# KiCad board Quiver_PT3_Main_PCB.kicad_pcb (continued)
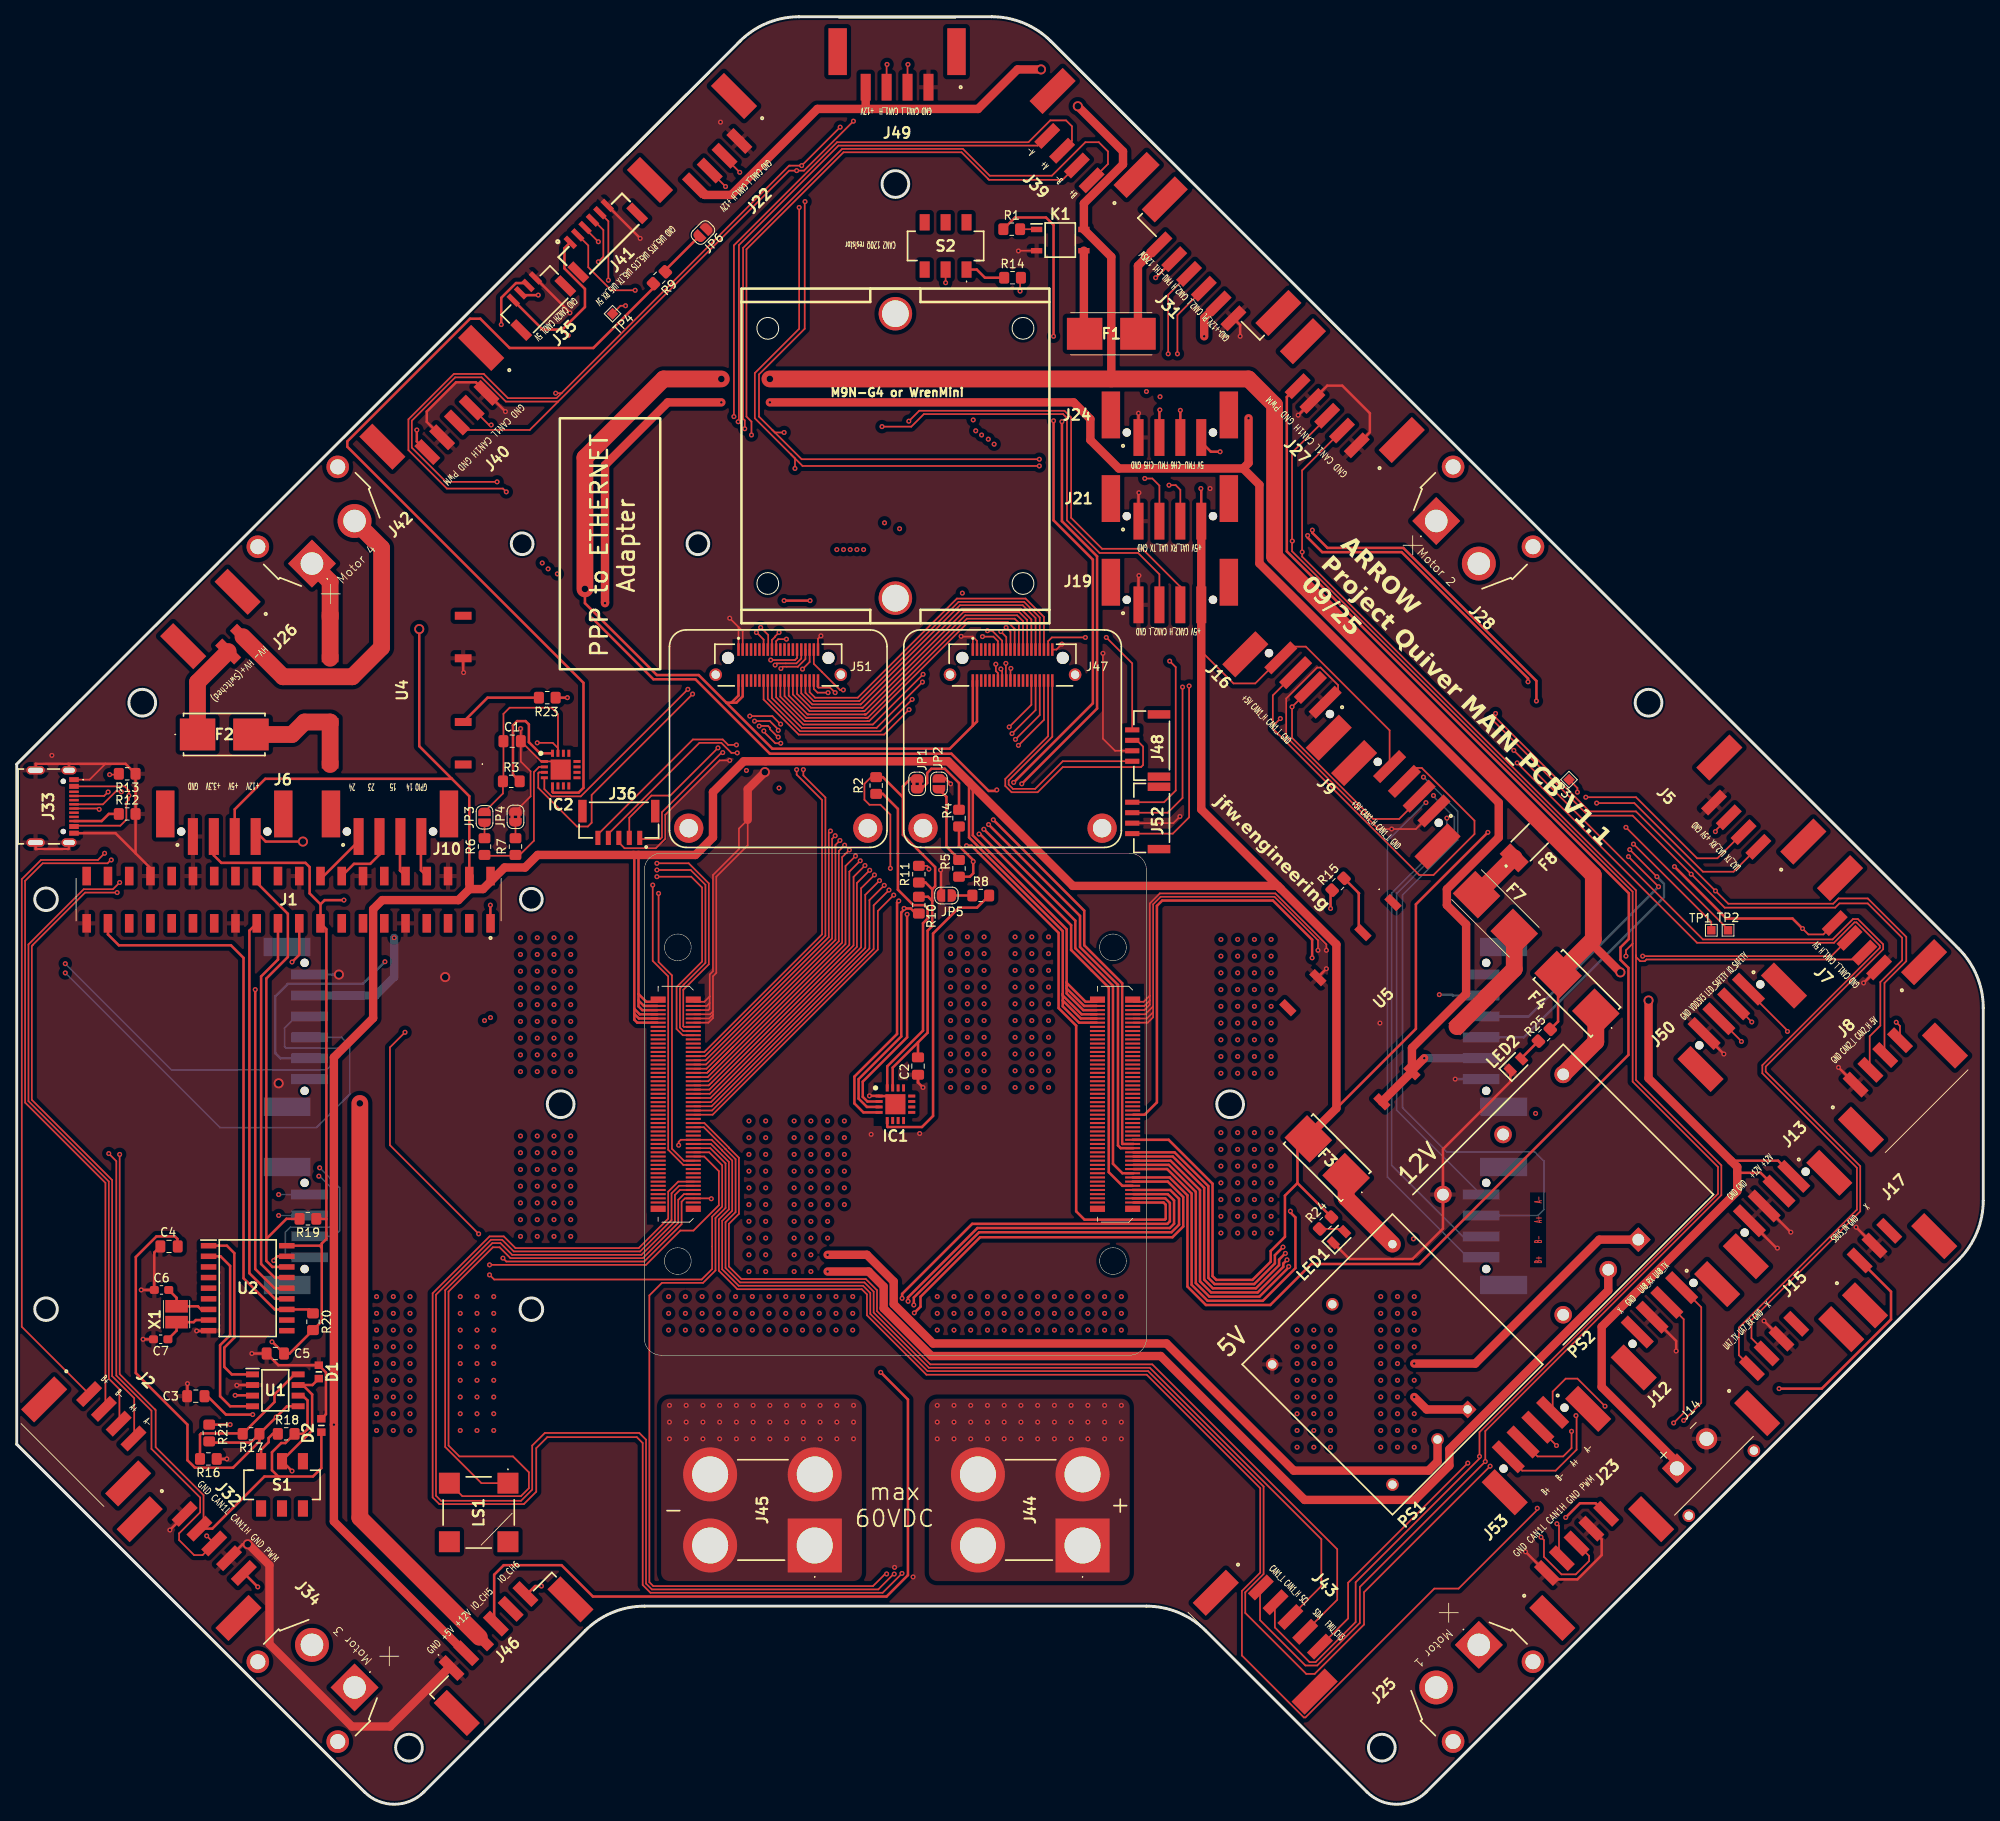
[diagram p0: board, top side]
## Routing (per net, layer and track width the routed paths; a pad name or vN(x,y) marks a point on that pad's centre or on a via; arc(x,y) is an arc through that point) (continued)
  In2.Cu w0.2: v1(134.8,158.48) 123.1,158.48 117.8,153.18 v1(103.7,153.18)
/USART2_RX_TEL3: length 158.6
  Top w0.2: J5.2 203.23,113.08 200.8,113.08 193.5,120.38 v1(187.5,120.38) ; 80.95,85.93 82.7,85.93 83.03,86.27 99.5,102.73 99.5,111.49 v1(100.8,112.79)
  In2.Cu w0.2: v1(187.5,120.38) 176.7,120.38 172,115.68 168.7,115.68 160.5,123.88 109.1,123.88 105.1,119.88 105.1,115.28 102.8,112.98 100.99,112.98 v1(100.8,112.79)
/USART2_TX_TEL3: length 160
  Top w0.2: 80.95,85.43 82.77,85.43 100,102.67 100,110.86 v1(101.36,112.22) ; J5.1 205.16,111.48 201.5,111.48 193.3,119.68 v1(188.8,119.68)
  In2.Cu w0.2: v1(188.8,119.68) 176.7,119.68 172.3,115.28 168.5,115.28 160.6,123.18 109.1,123.18 105.5,119.58 105.5,114.98 102.9,112.38 101.53,112.38 v1(101.36,112.22)
/USB_D+: length 153.7
  Top w0.2: v1(12.5,121.03) 12.45,121.08 11.85,121.08 10.3,119.53 J33.A6 ; 80.95,91.93 79.59,91.93 78.85,92.68 78.85,97.69 81.9,100.74 81.9,109.58 80.6,110.88 v1(76.5,110.88)
  In1.Cu w0.2: v1(64.6,147.08) 69.5,147.08 71.7,144.88 71.7,113.08 73.9,110.88 v1(76.5,110.88)
  In2.Cu w0.2: v1(64.6,147.08) 64.35,147.08 34.85,117.58 9.2,117.58 8.4,118.38 8.4,119.88 10.2,121.68 11.85,121.68 v1(12.5,121.03)
/USB_D-: length 141.6
  Top w0.2: 80.95,92.43 79.66,92.43 79.25,92.84 79.25,97.52 82.3,100.57 82.3,109.92 80.53,111.68 v1(76.5,111.68) ; v1(9.85,118.93) 9.75,119.03 J33.A7
  In1.Cu w0.2: v1(76.5,111.68) 74.2,111.68 72.2,113.68 72.2,144.98 69.5,147.68 v1(63.5,147.68)
  In2.Cu w0.2: v1(9.85,118.93) 9.9,118.98 34.8,118.98 v1(63.5,147.68)
CAN1_H: length 871
  Top w0.2: v1(104,207.98) 103.95,207.93 J49.3 ; 150.1,128.58 150.1,128.88 v1(151,129.78) ; 150.1,128.58 150.1,132.55 J16.3 153.37,135.28 153.8,135.7 ; 150.1,128.58 167.6,111.08 169.3,111.08 174.2,115.98 174.2,117.58 167.9,123.88 167.3,123.88 165.83,122.41 J9.3 ; 64.7,167.68 92.3,195.28 v1(93.2,195.28) 94.07,195.28 v1(99.98,201.2) ; 64.7,167.68 58.44,167.68 55.55,170.57 52.39,170.57 47.21,165.39 47.21,162.17 51.3,158.08 v1(57.4,158.08) ; 64.7,167.68 61.3,164.28 53.5,164.28 J40.3 53,165.18 ; v1(93.5,190.88) 93.5,176.38 88.2,171.08 88.2,165.68 92.5,161.38 ; J7.3 216.83,101.38 v1(194.3,101.38) ; J32.3 v1(22.7,32.08) ; J32.3 22.2,29.78 21.2,29.78 19.4,31.58 19.4,32.38 21.92,34.9 21.92,36.66 16.1,42.48 16.1,47.05 11.9,51.25 11.9,76.88 v1(11,77.78) ; J32.3 23.69,31.27 ; 92.5,161.38 93.9,159.98 v1(122.2,159.98) ; 92.5,161.38 93,160.88 v1(93,159.68) ; v1(103.1,110.41) 101.4,108.71 101.4,102.37 82.96,83.93 80.95,83.93 ; 193.1,102.88 193.1,86.38 203.3,76.18 203.3,72.98 174.8,44.48 v1(174.8,41.58) 174.8,41.33 160,26.53 160,21.78 155.21,16.99 154.49,16.99 150.34,21.14 150.34,24.06 J43.2 ; 193.1,102.88 192.3,102.08 v1(192.3,101.38) ; 193.1,102.88 193.1,109.08 152.4,149.78 152.4,150.98 v1(152.43,151.01) 152.63,151.01 152.4,151.23 152.4,161.58 156.6,165.78 J27.3 ; v1(182.15,31.93) 182.5,31.58 182.5,29.58 184.6,27.48 186.3,27.48 187.9,29.08 187.9,29.68 J23.3 ; J22.3 82.82,195.27 v1(84.7,193.38)
  Top w0.3: D1.1 35.34,50.12 U1.7 34.18,50.12 35.3,49 35.3,44.68 31.7,41.08 S1.2 31.72,41.01 v1(32.9,39.83)
  In2.Cu w0.2: v1(84.7,193.38) 86.83,191.26 89.17,191.26 v1(93.2,195.28) 93.2,195.18 93.5,194.88 v1(93.5,190.88) ; v1(103.1,110.41) 102.67,109.98 101.97,109.98 101.97,109.98 100.73,109.98 94.5,116.22 94.5,119.62 90,124.12 90,129.38 94.5,133.88 94.5,138.88 93,140.38 v1(93,159.68) ; 192.1,101.38 v1(192.3,101.38) v1(194.3,101.38) ; v1(99.98,201.2) 103.32,201.2 104,201.88 v1(104,207.98) ; v1(151,129.78) 151,131.68 154.8,135.48 154.8,147.38 152.4,149.78 152.4,150.98 v1(152.43,151.01) 152.3,151.13 152.3,151.28 147.2,156.38 147.2,159.28 146.5,159.98 v1(122.2,159.98) ; v1(174.8,41.58) 174.6,41.38 174.6,39.48 v1(182.15,31.93) ; v1(57.4,158.08) 57.4,155.68 27.5,125.78 6.8,125.78 4.3,123.28 4.3,111.18 6.4,109.08 6.4,82.38 v1(11,77.78)
  In2.Cu w0.3: v1(22.7,32.08) 29.2,38.58 31.65,38.58 v1(32.9,39.83)
CAN1_L: length 832.8
  Top w0.2: 84.58,196.9 v1(86.4,195.08) ; 167.5,120.08 165.2,117.78 162.1,117.78 152.4,127.48 v1(152.4,131.18) 154.59,133.38 J16.2 155.4,134.31 ; v1(184.05,33.53) 184.3,33.28 184.3,29.75 J23.2 ; 90.3,164.28 90.6,163.98 v1(91.7,163.98) ; 90.3,164.28 93.8,160.78 v1(122.2,160.78) ; 90.3,164.28 88.7,165.88 88.7,170.92 94.16,176.38 94.16,191.54 v1(94.2,191.58) ; J49.2 106.45,207.93 v1(106.5,207.98) ; J43.1 148.58,25.83 148.58,22.01 153.99,16.59 155.41,16.59 160.5,21.68 160.5,25.98 v1(175.49,40.97) 175.49,44.61 203.7,72.82 203.7,76.38 193.5,86.58 193.5,101.48 ; 65.1,168.68 v1(64.4,168.68) ; 65.1,168.68 64.5,168.08 58.7,168.08 55.8,170.98 52.23,170.98 46.81,165.56 46.81,161.87 51.4,157.28 58.1,157.28 v1(58.5,156.88) ; 65.1,168.68 92.3,195.88 v1(93.8,195.88) v1(98.4,200.48) ; J40.2 56.44,164.88 v1(56.7,164.88) ; 159.2,165.05 J27.2 153.6,159.45 153.6,149.71 v1(153.61,149.69) 153.61,149.14 193.5,109.25 193.5,101.48 ; 193.5,101.48 193.5,101.28 194,100.78 194.55,100.78 194.75,100.98 219.97,100.98 J7.2 ; J32.2 22.32,33.44 22.32,36.96 16.6,42.68 16.6,47.11 12.3,51.41 v1(12.3,77.68) ; 80.95,84.43 82.9,84.43 100.9,102.44 100.9,109.49 v1(102.49,111.09)
  Top w0.3: 31.25,39.18 35.4,39.18 36.4,40.18 D2.1 ; 31.25,39.18 30.5,39.93 30.5,42.08 31.6,43.18 32.1,43.18 R18.2 34.2,44.28 34.75,44.83 34.75,48.28 34.18,48.85 33.62,48.85 34.24,48.85 ; 31.25,39.18 29.6,39.18 23.37,32.95 J32.2 ; J22.2 84.58,196.9
  In2.Cu w0.2: v1(122.2,160.78) 146.3,160.78 147.7,159.38 147.7,156.58 153.61,150.67 v1(153.61,149.69) 155.4,147.91 155.4,134.18 v1(152.4,131.18) ; v1(64.4,168.68) 60.6,164.88 v1(56.7,164.88) ; v1(91.7,163.98) 93.6,162.08 93.6,140.38 94.9,139.08 94.9,133.58 90.4,129.08 90.4,124.28 94.9,119.78 94.9,116.38 100.9,110.38 101.8,110.38 102.46,111.04 102.46,111.05 v1(102.49,111.09) ; v1(184.05,33.53) 183.9,33.68 181.5,33.68 175.1,40.08 175.1,40.58 175.46,40.95 175.47,40.95 v1(175.49,40.97) ; v1(86.4,195.08) 91.45,195.08 92.3,195.93 93.75,195.93 v1(93.8,195.88) 94.2,195.48 v1(94.2,191.58) ; v1(12.3,77.68) 6.8,83.18 6.8,109.38 4.7,111.48 4.7,119.98 10,125.28 27.7,125.28 58.5,156.08 v1(58.5,156.88) ; v1(106.5,207.98) 106.5,202.18 104.8,200.48 v1(98.4,200.48)
ETH1_0A+: length 65.5
  Top w0.2: v1(86.1,125.68) 85.4,125.68 84.2,126.88 81.58,126.88 70.7,116 70.7,115.38 ; v1(89.28,128.3) 89.28,128.21 90.65,126.83 v1(91.3,126.83) ; J47.36 122.75,129.63 v1(119.7,126.58)
  In2.Cu w0.2: v1(89.28,128.3) 87.73,126.76 87.18,126.76 v1(86.1,125.68) ; v1(91.3,126.83) 91.55,126.58 v1(119.7,126.58)
ETH1_0A-: length 65.4
  Top w0.2: 69.45,115.38 69.45,115.93 80.8,127.28 84.37,127.28 85.02,126.63 v1(86,126.63) ; J47.34 122.25,130.21 v1(119.34,127.3) ; v1(88.72,128.88) 88.75,128.9 89.78,128.9 90,128.68 90,128.52 90.95,127.57 v1(91,127.57)
  In2.Cu w0.2: v1(91,127.57) 91.41,127.57 91.68,127.3 v1(119.34,127.3) ; v1(88.72,128.88) 87.2,127.36 86.73,127.36 v1(86,126.63)
ETH1_0B+: length 60.4
  Top w0.2: v1(118.94,127.99) 121.75,130.8 J47.32 ; v1(91,128.37) 91,128.48 90,129.48 v1(88.17,129.48) ; v1(84.37,125.72) 84.23,125.72 77.1,118.58 77.1,115.58 76.9,115.38 74.45,115.38
  In2.Cu w0.2: v1(91,128.37) 91.22,128.37 91.61,127.99 v1(118.94,127.99) ; v1(84.37,125.72) 84.37,125.85 86.55,128.03 86.72,128.03 v1(88.17,129.48)
ETH1_0B-: length 60.2
  Top w0.2: v1(118.6,128.78) 121.25,131.43 J47.30 ; v1(91.29,129.12) 91.26,129.12 90.3,130.08 v1(87.6,130.08) ; 73.2,115.38 73.2,117.93 75.85,120.58 78.1,120.58 v1(83.8,126.28)
  In2.Cu w0.2: v1(118.6,128.78) 91.63,128.78 v1(91.29,129.12) ; v1(83.8,126.28) 83.81,126.28 86.31,128.78 86.31,128.79 v1(87.6,130.08)
ETH1_2A+: length 125.2
  Top w0.2: v1(118.23,140.68) 118.75,140.16 J47.19 ; v1(85.7,165.88) 85.7,186.35 98.03,198.68 120.9,198.68 123.51,201.29 125.39,201.29 126.1,200.58 126.1,198.85 J39.3
  In2.Cu w0.2: v1(85.7,165.88) 85.7,165.89 92.35,165.89 95.4,162.83 95.4,149.75 96.27,148.88 111.45,148.88 115.6,144.73 115.6,143.18 118.11,140.68 v1(118.23,140.68)
ETH1_2A-: length 117
  Top w0.2: v1(117.6,140.18) 118.25,139.53 J47.17 ; v1(86.21,165.27) 86.3,165.36 86.3,186.38 98.2,198.28 122,198.28 J39.4
  In2.Cu w0.2: v1(117.6,140.18) 117.3,140.18 115.1,142.38 115.1,144.67 111.38,148.38 96.2,148.38 95,149.58 95,162.66 92.18,165.48 90.53,165.48 90.08,165.03 86.46,165.03 v1(86.21,165.27)
ETH1_2B+: length 130.3
  Top w0.2: v1(116,140.28) 116.57,140.28 117.75,139.1 J47.15 ; v1(87,164.43) 87,165.43 86.8,165.63 86.8,186.05 98.63,197.88 113.07,197.88 116.27,194.68 123.7,194.68 127.7,198.68 129.3,198.68 130.4,197.58 130.4,196.08 J39.1
  In2.Cu w0.2: v1(87,164.43) 87.14,164.28 89.9,164.28 90.7,165.08 92.02,165.08 94.6,162.5 94.6,149.35 95.97,147.98 111.22,147.98 114.6,144.6 114.6,141.68 v1(116,140.28)
ETH1_2B-: length 120.5
  Top w0.2: J39.2 124.97,194.18 116.2,194.18 116.1,194.28 112.9,197.48 98.8,197.48 87.2,185.88 87.2,165.88 87.8,165.28 v1(87.8,163.68) ; J47.13 117.25,139.03 116.7,139.58 v1(115.4,139.58)
  In2.Cu w0.2: v1(115.4,139.58) 114.1,140.88 114.1,144.53 111.05,147.58 95.8,147.58 94.2,149.18 94.2,162.33 91.85,164.68 90.9,164.68 89.8,163.58 87.9,163.58 v1(87.8,163.68)
  Bottom w0.2: v1(115.4,139.58) 115.6,139.78
ETH1_3A+: length 162.3
  Top w0.2: v1(118.8,135.78) 118.75,135.73 J47.20
  In2.Cu w0.2: v1(118.8,135.78) 118.8,130.48 122.3,126.98 179.8,126.98 180.8,125.98 180.8,124.98 179.1,123.28 168.6,123.28 v1(168.1,122.78)
  Bottom w0.2: v1(168.1,122.78) 172.2,118.68 172.2,115.28 165.6,108.68 165.6,83.28 170.9,77.98 181.4,77.98 182.5,76.88 182.5,71.08 181.8,70.38 J37.3
ETH1_3A-: length 144.1
  Top w0.2: J47.18 118.2,134.38 v1(118.2,136.38)
  In2.Cu w0.2: v1(169.3,120.58) 169.3,121.18 171,122.88 179.3,122.88 181.2,124.78 181.2,126.18 180,127.38 122.5,127.38 119.5,130.38 119.5,136.28 119.2,136.58 118.4,136.58 v1(118.2,136.38)
  Bottom w0.2: J37.4 164.9,82.98 164.9,108.88 171.8,115.78 171.8,117.98 169.4,120.38 169.4,120.48 v1(169.3,120.58)
ETH1_3B+: length 153.2
  Top w0.2: J47.16 117.75,135.57 v1(117.6,135.72)
  In2.Cu w0.2: v1(117.6,135.72) 117.6,136.63 117.95,136.98 119.37,136.98 120.1,136.25 120.1,130.38 122.7,127.78 180.2,127.78 181.6,126.38 181.6,124.62 179.27,122.28 171.9,122.28 169.35,119.74 v1(168.4,119.74)
  Bottom w0.2: J37.1 173.4,65.38 163.8,74.98 163.8,115.18 168.35,119.74 v1(168.4,119.74)
ETH1_3B-: length 150.8
  Top w0.2: J47.14 117.25,135.22 117,135.47 v1(117,136.28)
  In2.Cu w0.2: v1(117,136.28) 117,136.6 117.78,137.38 119.53,137.38 120.5,136.42 120.5,130.58 122.8,128.28 180.5,128.28 182.1,126.68 182.1,124.28 179.5,121.68 173.9,121.68 170.9,118.68 v1(170.9,117.88)
  Bottom w0.2: J37.2 172.8,67.88 164.3,76.38 164.3,108.91 170.9,115.51 v1(170.9,117.88)
ETH2_1A+: length 130.3
  Top w0.2: J51.35 94.75,136.55 v1(93.9,135.7)
  In2.Cu w0.2: v1(36.2,76.08) 28.1,76.08 27.4,76.78 27.4,102.79 34,109.38 58.37,109.38 79.03,130.05 82.37,130.05 87.4,135.08 93.28,135.08 v1(93.9,135.7)
  Bottom w0.2: v1(36.2,76.08) 38.6,73.68 38.6,68.58 37.9,67.88 J38.3
ETH2_1A-: length 137.1
  Top w0.2: J51.33 94.25,136.9 93.34,135.98 93.33,135.98 91.53,135.98 v1(91.32,135.77)
  In2.Cu w0.2: v1(36.1,75.08) 35.5,75.68 27.93,75.68 27,76.61 27,102.95 33.83,109.78 58.2,109.78 78.9,130.48 82.23,130.48 87.33,135.58 91.13,135.58 v1(91.32,135.77)
  Bottom w0.2: v1(36.1,75.08) 36.2,75.08 38,73.28 38,69.38 37.6,68.98 32.7,68.98 32.1,68.38 32.1,65.68 32.4,65.38 J38.4
ETH2_1B+: length 119.4
  Top w0.2: J51.31 93.75,136.96 93.17,136.38 90.83,136.38 v1(90.63,136.18)
  In2.Cu w0.2: v1(31.3,72.88) 29.4,72.88 26.6,75.68 26.6,103.12 33.73,110.25 58.07,110.25 78.77,130.95 82.13,130.95 87.37,136.18 v1(90.63,136.18)
  Bottom w0.2: v1(31.3,72.88) J38.1 ; v1(90.63,136.18) 90.63,136.25 90.52,136.36
ETH2_1B-: length 120.7
  Top w0.2: v1(90.1,136.78) 93,136.78 93.25,137.03 J51.29
  In2.Cu w0.2: v1(90.1,136.78) 87.4,136.78 82,131.38 78.6,131.38 57.9,110.68 33.6,110.68 26.2,103.28 26.2,75.48 v1(31.3,70.38)
  Bottom w0.2: v1(31.3,70.38) J38.2
ETH2_2A+: length 172.4
  Top w0.2: J51.19 90.75,139.03 90.99,139.28 v1(91.98,139.28) ; v1(12.3,110.18) 11.5,109.38 8,109.38 1.4,102.78 1.4,84.05 11,74.45 11,50.88 12.27,49.61 12.27,45.59 J2.3
  In2.Cu w0.2: v1(91.98,139.28) 92.29,139.28 92.4,139.38 92.4,140.08 91.6,140.88 90.5,140.88 89.1,139.48 88.9,139.48 88.88,139.47 84.55,139.47 57.27,112.18 14.3,112.18 v1(12.3,110.18)
ETH2_2A-: length 171.2
  Top w0.2: J2.4 14.04,43.82 14.04,48.54 11.4,51.18 11.4,74.61 1.8,84.21 1.8,102.58 1.9,102.68 1.9,102.72 8.17,108.98 v1(12,108.98) ; v1(91.1,140.08) 90.6,139.58 90.6,139.53 90.25,139.18 J51.17
  In2.Cu w0.2: v1(12,108.98) 14.3,111.28 57.35,111.28 84.85,138.78 89.8,138.78 v1(91.1,140.08)
ETH2_2B+: length 168.7
  Top w0.2: J2.1 0.6,57.08 0.6,110.58 2.9,112.88 9.7,112.88 v1(10.5,113.68) ; v1(88.9,140.68) 89.8,139.78 89.8,138.08 J51.15
  In2.Cu w0.2: v1(10.5,113.68) 57.6,113.68 84.6,140.68 v1(88.9,140.68)
ETH2_2B-: length 169.3
  Top w0.2: J2.2 10.6,47.45 10.6,74.28 1,83.88 1,110.38 3.1,112.48 10.85,112.48 11.25,112.88 v1(11.3,112.88) ; v1(88.39,140.07) 88.41,140.07 89.25,139.23 J51.13
  In2.Cu w0.2: v1(11.3,112.88) 57.4,112.88 84.6,140.08 88.37,140.08 v1(88.39,140.07)
ETH2_3A+: length 260.6
  Top w0.2: v1(185.8,44.58) 185.8,42.58 184.8,41.58 181.73,41.58 J53.3 ; J51.20 90.75,132.33 94.01,129.07 102.31,129.07 v1(108.31,135.07)
  In1.Cu w0.2: v1(108.31,135.07) 109.3,136.07 109.3,156.38 v1(116.1,163.18)
  In2.Cu w0.2: v1(116.1,163.18) 127.7,163.18 134.5,169.98 149.8,169.98 151.4,168.38 151.4,165.18 210.1,106.48 210.1,69.38 185.8,45.08 v1(185.8,44.58)
ETH2_3A-: length 263.1
  Top w0.2: v1(186.33,46.46) 186.4,46.39 186.4,42.38 183.9,39.88 179.9,39.88 J53.4 ; J51.18 90.25,132.23 93.81,128.67 102.76,128.67 v1(108.23,134.15)
  In1.Cu w0.2: v1(116.8,162.58) 109.7,155.48 109.7,135.62 v1(108.23,134.15)
  In2.Cu w0.2: v1(116.8,162.58) 127.8,162.58 134.7,169.48 149.73,169.48 151,168.22 151,165.35 151,165.35 151,165.02 151,165.02 151,164.98 209.7,106.28 209.7,70.08 186.33,46.71 v1(186.33,46.46)
ETH2_3B+: length 264.2
  Top w0.2: v1(107.01,132.08) 103.2,128.27 93.61,128.27 89.75,132.13 J51.16 ; J53.1 183.54,49.33 185.1,50.88 186.5,50.88 v1(189.8,47.58)
  In1.Cu w0.2: v1(107.01,132.08) 107.01,138.69 108.4,140.08 108.4,157.98 v1(114.6,164.18)
  In2.Cu w0.2: v1(189.8,47.58) 210.9,68.68 210.9,107.08 152.3,165.68 152.3,168.78 150.2,170.88 134.1,170.88 127.5,164.28 114.7,164.28 v1(114.6,164.18)
ETH2_3B-: length 264.2
  Top w0.2: J51.14 89.25,132.07 93.44,127.87 103.65,127.87 v1(106.63,130.85) ; v1(184,42.88) 181.81,45.08 J53.2 ; v1(115.3,163.68) 115.3,163.78
  In1.Cu w0.2: v1(115.3,163.68) 108.9,157.28 108.9,140.02 107.63,138.75 107.63,131.85 106.63,130.85 v1(106.63,130.85)
  In2.Cu w0.2: v1(115.3,163.68) 115.4,163.78 127.6,163.78 134.3,170.48 150,170.48 151.9,168.58 151.9,165.52 151.9,165.52 151.9,165.38 210.5,106.78 210.5,69.13 189.2,47.83 189.2,46.68 185.4,42.88 v1(184,42.88)
GPIO_26_CS: length 67
  Top w0.3: R20.1 34.93,59.15 30.83,59.15 27.1,62.88 27.1,101.18 25.6,102.68 12.2,102.68 10.9,103.98 10.9,105.28
SPI_CE0: length 56.3
  Top w0.3: 32.28,64.23 30.55,64.23 29.83,64.96 29.83,67.58 ; 29.83,67.58 32.22,69.98 R19.2 ; 29.83,67.58 29.83,98.71 32.4,101.28 32.4,106.45 28.68,110.17 J1.24
SPI_MISO: length 45.3
  Top w0.3: J1.21 31.22,100.98 29.2,98.96 29.2,64.58 30.82,62.96 32.28,62.96
SPI_MOSI: length 48.9
  Top w0.3: J1.19 33.76,101.54 v1(32.9,100.68) ; 32.28,61.69 30.79,61.69 28.5,63.98 v1(28.5,97.38)
  In2.Cu w0.3: v1(32.9,100.68) 31.8,100.68 v1(28.5,97.38)
SPI_SCLK: length 47.9
  Top w0.3: 32.28,60.42 30.86,60.42 27.8,63.48 27.8,104.43 J1.23
Net-(F2-Pad1): length 11.4
  Top w2: J26.2 21.6,134.13 21.6,127.89 F2.1
Net-(F7-Pad2): length 6.3
  Top w2: F7.2 178.85,113.13 F8.1
Net-(IC1-CSB): length 45
  Top w0.3: IC1.2 101.66,84.01 101.1,84.56 101.1,86.38 106.4,91.68 v1(106.4,106.38) ; R5.1 113.9,110.88 114.3,111.28 v1(114.3,112.68) 114.3,112.86 112.6,114.56 R4.1
  In2.Cu w0.2: v1(114.3,112.68) 114.2,112.78 112.8,112.78 v1(106.4,106.38)
Net-(IC1-PS): length 40.9
  Top w0.3: R2.2 103.5,120.78 105.3,118.98 105.3,109.33 107.14,107.48 108.46,107.48 108.85,107.09 108.85,105.88 108.3,105.33 108.3,92.48 104.03,88.21 IC1.16
Net-(IC1-SDO): length 37.2
  Top w0.3: IC1.5 104.03,81.01 104.07,80.96 108.18,80.96 109.5,82.28 109.5,104.08 112.6,107.18 114.75,107.18 R8.2
Net-(IC2-CSB): length 16.4
  Top w0.2: R6.1 56,113.38 59.5,113.38 R7.1 60.1,113.48 61.8,115.18 61.8,123.38 62.43,124.01 IC2.2
Net-(IC2-PS): length 14.8
  Top w0.3: R3.2 59.3,123.08 59.3,128.98 59.8,129.48 60.8,129.48 61.2,129.08 61.2,126.96 62.53,125.63 IC2.16
Net-(IC2-SDO): length 105.4
  Top w0.3: IC2.5 64.03,121.01 64.1,120.93 67.15,120.93 67.72,121.51 67.72,134.06 39.5,162.28 39.5,162.91 54.17,177.58 55.4,177.58 58.9,174.08 68.9,174.08 76.09,181.28 R9.2
Net-(J1-GPIO14(TXD)): length 5
  Top w0.3: J10.4 48.3,115.63 48.3,111.66 J1.8
Net-(J1-GPIO15(RXD)): length 5
  Top w0.3: J10.3 45.8,115.63 45.8,111.62 J1.10
Net-(J1-GPIO23): length 7.7
  Top w0.3: J1.16 40.3,112.42 42.24,112.42 43.35,113.53 J10.2
Net-(J1-GPIO24): length 8.7
  Top w0.3: J1.18 36.68,110.96 40.85,115.13 J10.1 40.8,115.63 40.8,113.88
Net-(J3-Pad29): length 119.6
  Top w0.2: v1(72.75,179.13) 72.15,179.13 TP4.1 ; 80.95,88.93 82.31,88.93 97.04,103.66 97.04,116.15 v1(97.24,116.35)
  In1.Cu w0.2: v1(97.24,116.35) 97.9,117.01 97.9,130.28 100.7,133.08 100.7,138.69 98,141.38 v1(98,149.98)
  In2.Cu w0.2: v1(98,149.98) 98,164.16 ; 98,163.66 98,164.78 90.5,172.28 79.6,172.28 v1(72.75,179.13)
Net-(J3-Pad39): length 136.7
  Top w0.2: TP3.1 186.5,121.48 v1(186.5,120.98) ; 80.95,86.43 82.63,86.43 99.04,102.84 99.04,112.16 v1(100.23,113.35)
  In2.Cu w0.2: v1(186.5,120.98) 176.6,120.98 171.7,116.08 169.1,116.08 160.8,124.38 109.03,124.38 104.7,120.05 104.7,115.58 102.9,113.78 100.66,113.78 v1(100.23,113.35)
Net-(J3-Pad45): length 157.5
  Top w0.2: 80.95,84.93 82.83,84.93 100.4,102.5 100.4,110.13 v1(101.93,111.65) ; TP2.1 204.5,104.58 v1(192.3,116.78)
  In2.Cu w0.2: v1(101.93,111.65) 101.96,111.69 102.81,111.69 105.9,114.78 105.9,119.38 109.3,122.78 160.3,122.78 168.2,114.88 172.6,114.88 176.8,119.08 190,119.08 v1(192.3,116.78)
Net-(J3-Pad51): length 144.3
  Top w0.2: v1(193.2,114.78) 202.5,105.48 TP1.1 ; 80.95,83.43 83.03,83.43 101.9,102.3 101.9,108.08 v1(103.67,109.85)
  In2.Cu w0.2: v1(193.2,114.78) 192.57,114.78 192.07,114.28 115.7,114.28 113.9,116.08 110.9,116.08 104.8,109.98 103.8,109.98 v1(103.67,109.85)
Net-(J33-CC1): length 7.6
  Top w0.2: v1(11.1,123.08) 12.1,123.08 R13.2 ; J33.A5 10.44,120.53 v1(10.92,121.01)
  In1.Cu w0.2: v1(10.92,121.01) 10.93,121.01 11.1,121.18 v1(11.1,123.08)
Net-(J33-CC2): length 5.7
  Top w0.3: R12.1 11,118.38 10.15,117.53 J33.B5
Net-(J47-+3V3): length 30.9
  Top w0.2: J47.40 123.75,127.61 118.53,122.4 118.53,121.9 119.05,121.38 121.7,121.38 125,124.68 J48.1
Net-(J47-P1A_N): length 39.4
  Top w0.2: J51.34 94.25,132.87 95.23,131.88 100.67,131.88 100.67,131.88 100.7,131.88 112.55,143.73 120.38,143.73 122.25,141.87 J47.33
Net-(J47-P1A_P): length 39.4
  Top w0.2: J47.35 122.75,141.93 120.55,144.13 112.35,144.13 100.5,132.28 95.4,132.28 94.75,132.93 J51.36
Net-(J47-P1B_N): length 39.3
  Top w0.2: J47.29 121.25,141.63 119.95,142.93 112.95,142.93 101.1,131.08 101.03,131.08 101.03,131.08 101,131.08 101,131.08 94.9,131.08 93.25,132.73 J51.30
Net-(J47-P1B_P): length 39.4
  Top w0.2: J51.32 93.75,132.8 95.07,131.48 100.83,131.48 100.83,131.48 100.87,131.48 112.71,143.33 120.22,143.33 121.75,141.8 J47.31
Net-(J47-P1C_N): length 39.3
  Top w0.2: J47.25 120.25,141.43 119.56,142.13 113.34,142.13 101.5,130.28 101.47,130.28 101.47,130.28 101.44,130.28 101.44,130.28 101.37,130.28 101.36,130.28 101.33,130.28 101.33,130.28 94.57,130.28 94.56,130.28 94.5,130.28 92.25,132.53 J51.26
Net-(J47-P1C_P): length 39.3
  Top w0.2: J51.28 92.75,132.66 94.74,130.68 101.16,130.68 101.17,130.68 101.2,130.68 101.2,130.68 101.27,130.68 101.3,130.68 113.15,142.53 119.79,142.53 120.75,141.57 J47.27
Net-(J47-P1D_N): length 38.9
  Top w0.2: J51.22 91.25,132.4 94.17,129.48 94.24,129.48 94.24,129.48 101.66,129.48 101.66,129.48 101.86,129.48 113.71,141.32 118.43,141.32 119.25,140.5 J47.21
Net-(J47-P1D_P): length 39.3
  Top w0.2: J47.23 119.75,141.23 119.26,141.73 113.54,141.73 101.7,129.88 101.67,129.88 101.67,129.88 101.64,129.88 101.64,129.88 101.6,129.88 101.6,129.88 101.53,129.88 101.53,129.88 101.5,129.88 101.5,129.88 94.4,129.88 94.4,129.88 94.33,129.88 91.75,132.47 J51.24
Net-(J47-SCK): length 20.5
  Top w0.2: J47.37 123.25,139.03 123.7,139.48 v1(127.7,139.48) ; J48.4 133.3,136.38 v1(130.2,139.48)
  In2.Cu w0.2: v1(127.7,139.48) v1(130.2,139.48)
Net-(J47-SDA): length 36.7
  Top w0.2: J48.3 133.85,127.18 134.6,126.43 134.6,124.23 134.35,123.98 125,123.98 122,120.98 118.88,120.98 118.13,121.73 118.13,122.56 123.25,127.68 J47.38
Net-(J51-+3V3): length 75.5
  Top w0.2: v1(140.1,133.68) 140.1,117.98 138.15,116.03 J52.1 ; v1(97.8,132.88) 97.2,133.48 95.8,133.48 95.7,133.58 95.7,134.28 J51.40
  In2.Cu w0.2: v1(97.8,132.88) 98.08,132.61 101.43,132.61 107.4,138.58 122.67,138.58 125.17,141.08 132.4,141.08 137.42,136.06 137.73,136.06 v1(140.1,133.68)
Net-(J51-SCK): length 72.5
  Top w0.2: J51.37 95.25,136.33 98.38,133.21 v1(98.78,133.21) ; J52.4 137.1,119.78 138.5,121.18 138.5,135.93 v1(137.77,136.66)
  In2.Cu w0.2: v1(98.78,133.21) 101.42,133.21 107.2,138.98 122.5,138.98 125,141.48 132.7,141.48 137.53,136.66 v1(137.77,136.66)
Net-(J51-SDA): length 72
  Top w0.2: v1(96.95,132.88) 95.7,132.88 95.25,133.33 J51.38 ; v1(139.31,133.55) 139.31,120.29 137.55,118.53 J52.3
  In2.Cu w0.2: v1(96.95,132.88) 97.63,132.2 101.59,132.2 107.57,138.18 122.83,138.18 125.33,140.68 132.2,140.68 139.31,133.57 v1(139.31,133.55)
Net-(JP1-A): length 10.6
  Top w0.3: JP1.1 108.05,121.33 108.8,122.08 108.8,123.28 109.3,123.78 110.9,123.78 112.6,122.08 R4.2
Net-(JP2-A): length 9.4
  Top w0.3: R5.2 112.6,112.98 111.1,114.48 111.1,120.43 JP2.1
Net-(JP3-A): length 1.9
  Top w0.2: R6.2 JP3.1
Net-(JP4-A): length 1.9
  Top w0.2: R7.2 JP4.1
Net-(JP5-B): length 2.4
  Top w0.3: R8.1 JP5.2
Net-(JP6-B): length 5.9
  Top w0.3: JP6.2 77.51,183.39 R9.1
Net-(K1-+CONTROL): length 2
  Top w0.2: R1.2 121.84,188.28 K1.1
Net-(K1-LOAD_1): length 10
  Top w1: K1.3 127.53,175.87 F1.1
Net-(LED1-A): length 3.1
  Top w0.2: LED1.2 158.35,68.78 R24.2
Net-(LED2-A): length 3
  Top w0.3: R25.2 179.82,89.2 LED2.2
Net-(PS1-+VOUT): length 10.4
  Top w2: PS1.6 158.86,72.5 F3.1
Net-(PS2-+VOUT): length 9
  Top w2: F4.1 188.7,91.15 PS2.6
Net-(S1-NC_1): length 4.5
  Top w0.3: S1.1 29.2,42.38 30.1,43.28 30.1,43.78 30.6,44.28 R18.1
Net-(S2-NC_1): length 4.9
  Top w0.3: R14.1 115.7,182.48 114.72,183.46 S2.1
Net-(U1-RX): length 23.5
  Top w0.3: U2.2 24.35,65.5 25.5,64.35 25.5,56.08 24.3,54.88 24.3,48.78 25.5,47.58 U1.4
Net-(U1-STB): length 18.2
  Top w0.3: R16.2 21.9,44.18 22.05,44.33 26.95,44.33 R17.2 30.8,48.08 30.8,48.99 33.2,51.39 U1.8
Net-(U1-TX): length 21.3
  Top w0.3: U1.1 25.69,51.39 24.8,52.28 24.8,54.58 26,55.78 26,65.88 25.11,66.77 U2.1
Net-(U2-OSC1): length 6.4
  Top w0.3: U2.8 21.4,57.88 21.15,57.63 X1.1 19.1,56.62 C7.2
Net-(U2-OSC2): length 6.3
  Top w0.3: C6.2 19.1,60.55 X1.2 21.65,59.53 22.03,59.15 U2.7
Net-(U2-~{RESET~{}}): length 26.1
  Top w0.3: 32.28,65.5 31.12,65.5 30.71,65.09 v1(30.71,64.99) ; v1(25.5,45.38) R21.1
  In1.Cu w0.3: v1(25.5,45.38) 25.45,45.43 25.45,53.63 30.7,58.88 30.7,64.98 v1(30.71,64.99)
Net-(U4-+LED): length 10.3
  Top w0.3: U4.2 56.26,132.28 R23.1
Net-(U4-D2_1): length 15.2
  Top w2: F2.2 32.9,127.88 34.39,129.37 U4.7 U4.8
Net-(U5-+LED): length 7.5
  Top w0.3: U5.2 160.37,104.7 160.37,108.87 160.4,108.9 R15.2
Net-(U5-D2_1): length 14.1
  Top w2: F7.1 178.95,99.83 175.71,96.59 U5.8 U5.7

## Copper pours and planes (outline as drawn; the poured copper is in the pictures)
GND on Top, Bottom, In1.Cu, In2.Cu, In3.Cu, In4.Cu: -5,217.68 238.9,217.68 238.9,-6.32 -5,-6.32
/HV+ on Top, Bottom, In1.Cu, In2.Cu, In3.Cu, In4.Cu: 109,48.48 133,48.48 133,26.68 109,26.68
/HV+ on Bottom, In2.Cu, In3.Cu, In4.Cu: 109,61.68 133,61.68 133,41.08 109,41.08
/HV+ on Bottom, In4.Cu: 111,110.68 121,100.68 174,153.68 164,163.68
/HV+ on Bottom, In4.Cu: 76,89.68 76,111.68 35,152.68 24,141.68
/HV+ on Bottom, In4.Cu: 133,112.68 123,122.68 109,108.68 109,60.68 133,60.68
/HV+ on Bottom, In4.Cu: 174.5,14.18 185.5,25.18 168,42.68 168,61.68 151.6,61.68 151.6,37.08
/HV+ on Bottom, In4.Cu: 59,111.68 76,111.68 76,30.78 47,1.78 35.5,13.28 59,36.78
/HV+ on In2.Cu, In3.Cu: 59,84.68 76,84.68 76,62.18 59,62.18
/HV+ on In2.Cu, In3.Cu: 59,105.68 133,105.68 133,83.88 59,83.88
/HV+ on In2.Cu, In3.Cu: 109,61.68 168,61.68 168,40.68 109,40.68
/HV- on Top, Bottom, In1.Cu, In2.Cu, In3.Cu, In4.Cu: 77,48.48 101,48.48 101,26.68 77,26.68
/HV- on Bottom, In2.Cu, In3.Cu, In4.Cu: 77,61.68 101,61.68 101,41.48 77,41.48
/HV- on Bottom, In4.Cu: 77,112.68 87,122.68 101,108.68 101,60.68 77,60.68
/HV- on Bottom, In4.Cu: 41,61.68 58,61.68 58,36.68 35,13.68 23.5,25.18 41,42.68
/HV- on Bottom, In4.Cu: 46,163.68 99,110.68 89,100.68 36,153.68
/HV- on Bottom, In4.Cu: 163,2.68 174,13.68 150.5,37.18 150.5,111.68 134,111.68 134,31.68
/HV- on Bottom, In4.Cu: 175,152.68 134,111.68 134,89.68 186,141.68
/HV- on In2.Cu, In3.Cu: 77,83.48 150.5,83.48 150.5,62.18 77,62.18
/HV- on In2.Cu, In3.Cu: 41,61.68 101,61.68 101,40.68 41,40.68
/HV- on In2.Cu, In3.Cu: 134,105.68 150.5,105.68 150.5,83.18 134,83.18
